# Altium PCB Control_Board.Pcbdoc (part 2 of 2) (continued)
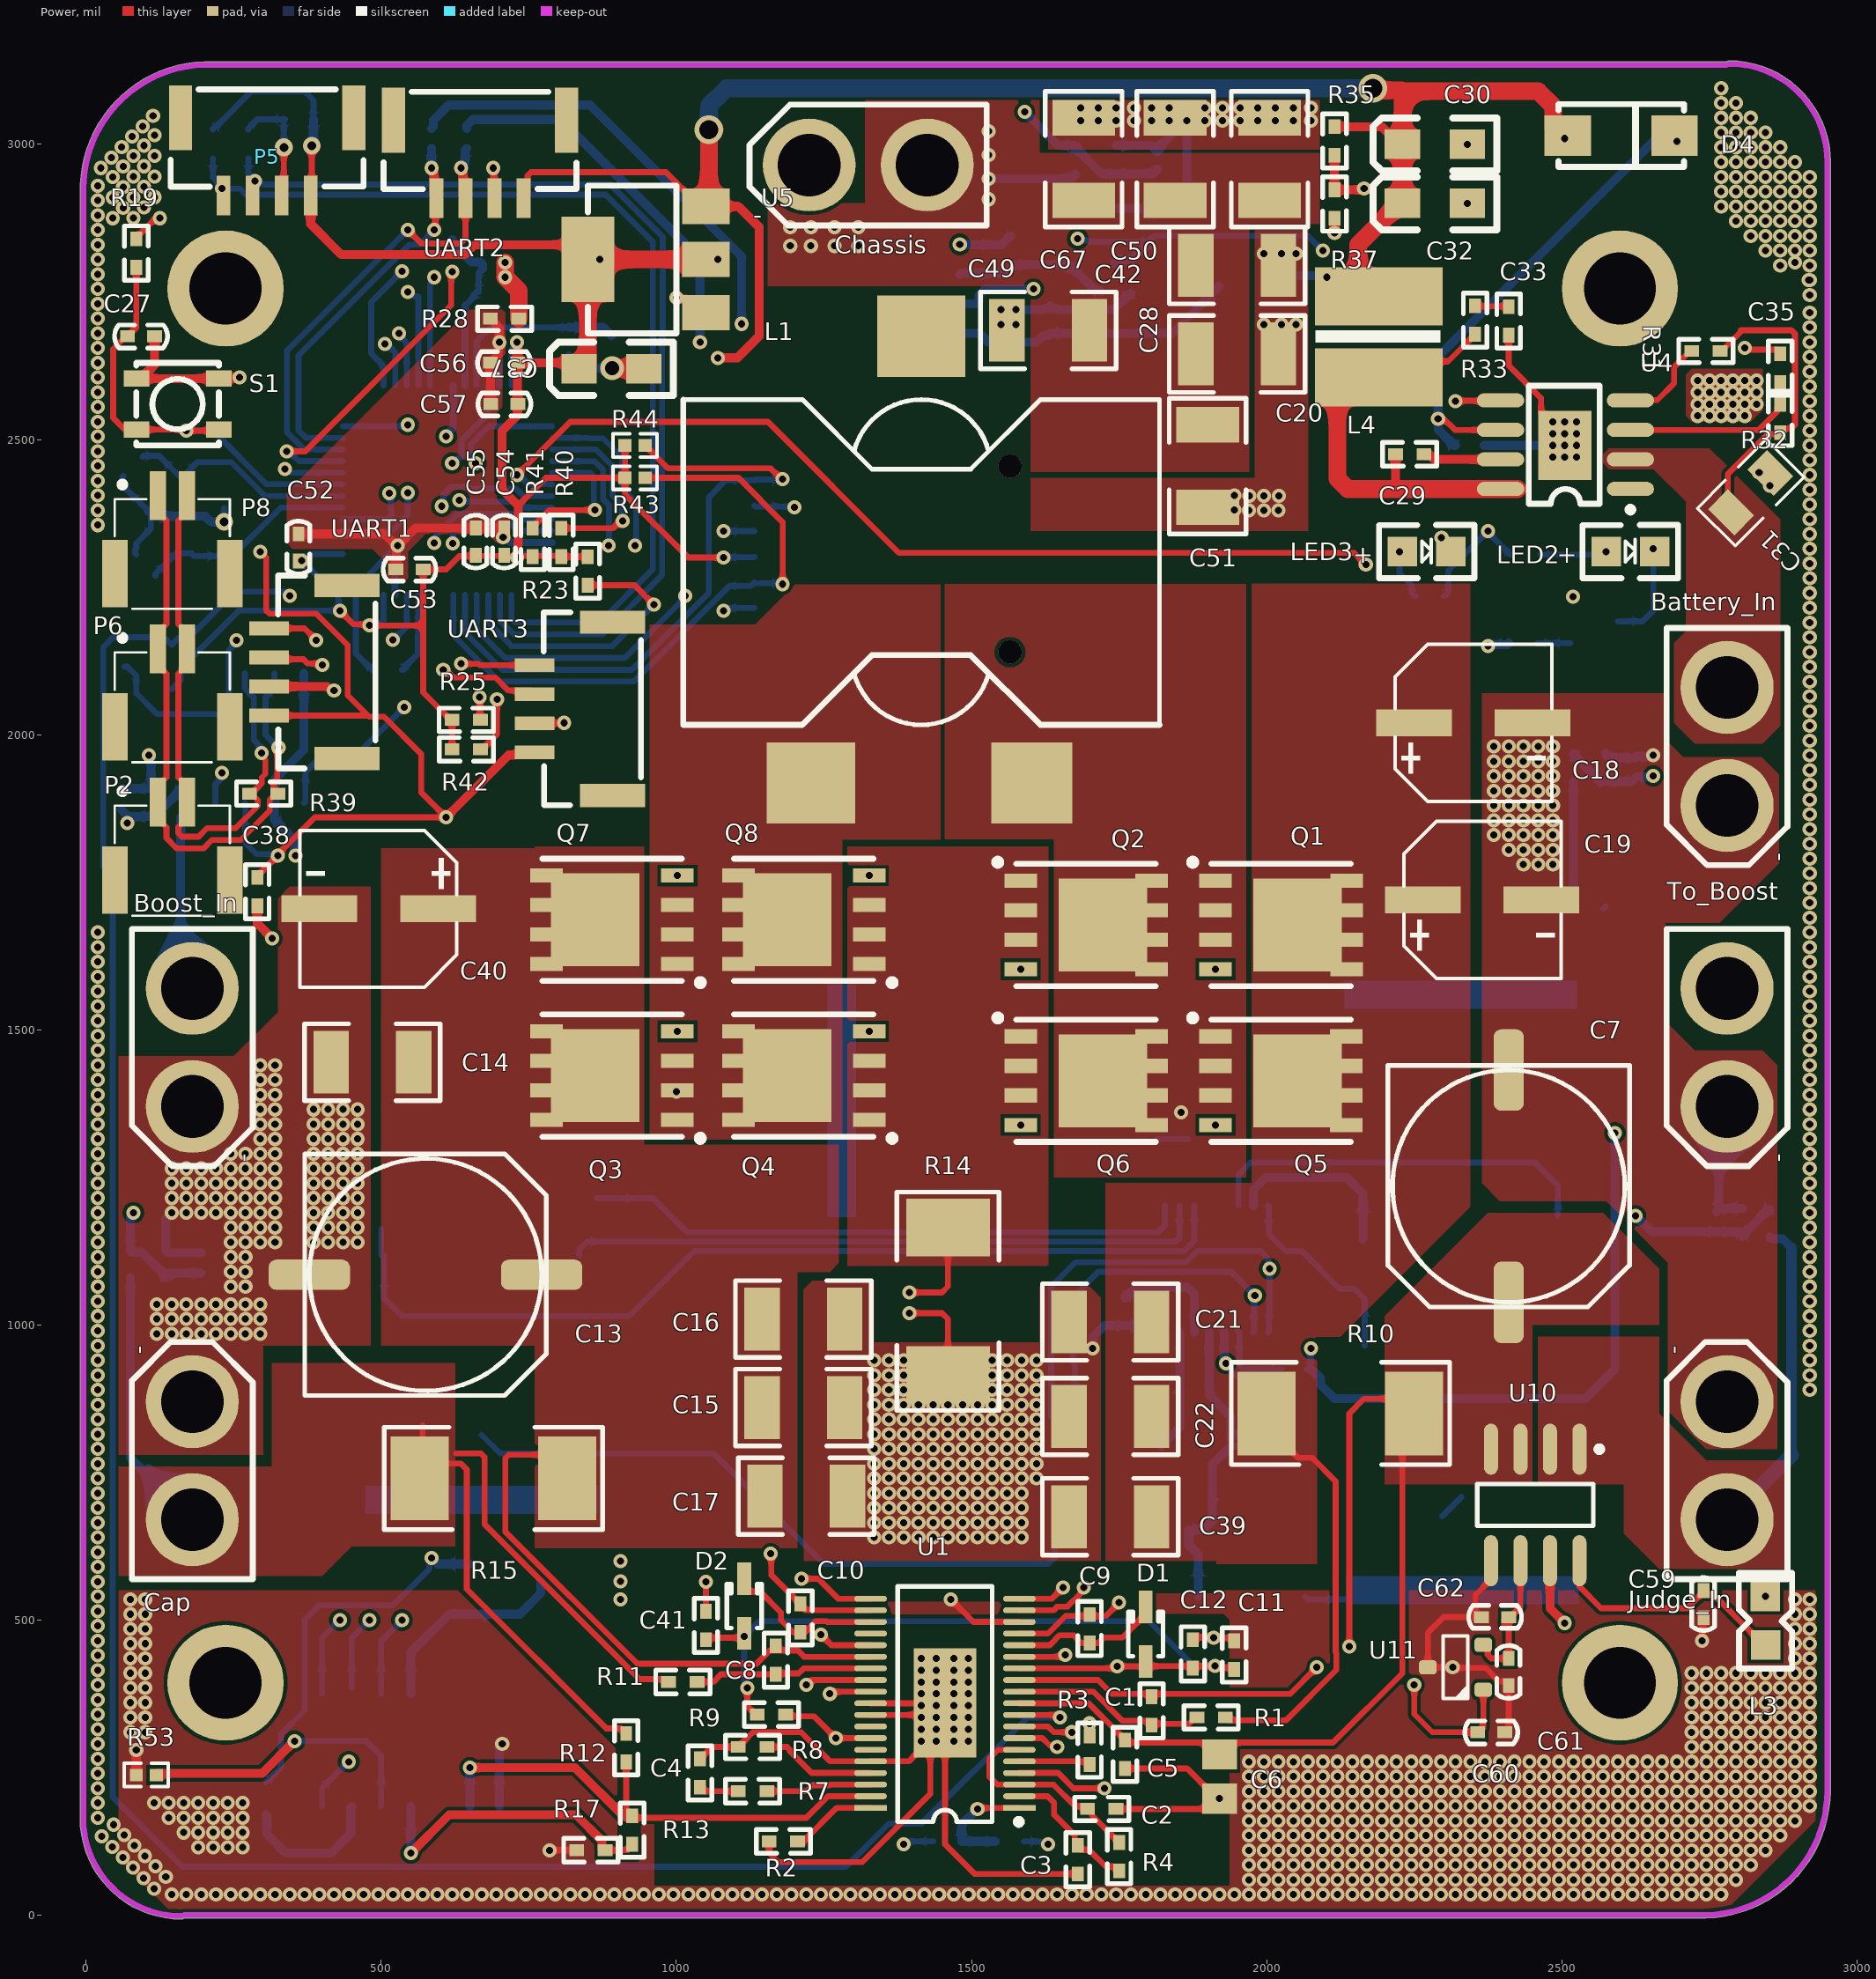
[diagram p0: Power view]
## Nets (pads, with @x,y where several pads share a name; then routed paths per layer and width w, separated by ;. In a path a pad name is that pad's centre, name@x,y a point inside that pad or via, vN(x,y) a via of type N, cw(c..) or ccw(c..) an arc to the next point about the centre after c; other vN are vias at no path point) (continued)
  Digital_signal w10: U13.3@435,2345.32 517.98,2345.32 545,2372.34 v1(545,2410) ; Q10.2@1675,805 1635,845 1635,1065 1676,1106 1863.63,1106 1882.63,1125 1990,1125 2002.32,1112.68 2002.32,1097.68 v1(2005,1095) 2005,1015.36 2003.98,1014.33 2003.98,989.19 U8.1@2002.5,987.72
LED_Green: R38.1 U13.30 | length 1942.7
  Power w10: v1(730,2440) 820,2530 1155,2530 1377,2308 2148.06,2308 v1(2168.03,2288.03)
  A_signal w10: v1(2168.03,2288.03) 2306.06,2150 v1(2375,2150)
  Digital_signal w10: v1(730,2440) 733.79,2440 749.39,2424.4 788.98,2424.4 U13.30@789.33,2424.05
  Digital_signal w15: v1(2375,2150) 2377.44,2150 2379.94,2152.5 2407.5,2152.5 R38.1@2410,2155
MOTOR_CURRENT_OUT: U7.7 U13.17 | length 1794.1
  A_signal w15: v1(590,2775) 591.72,2776.72 591.72,2791.72 663.5,2863.5 663.5,3008.5 725,3070 940,3070 1030,2980 1030,2802.33 1054.12,2778.21 1581.79,2778.21 v1(1605,2755)
  Digital_signal w10: U13.17@582.64,2591.38 582.64,2763.85 590,2771.21 v1(590,2775)
  Digital_signal w15: U7.7@1479.49,2730 1508.65,2730 1512.63,2733.98 1512.63,2744.41 1522.65,2754.43 1604.43,2754.43 v1(1605,2755)
NetC1_2: C1.2 R1.2 U1.11 | length 330.3
  Power w10: U1.11@1580.98,378.7 1581.06,378.78 1706.22,378.78 1755.7,329.3 1800,329.3 C1.2@1805,324.3 ; C1.2@1805,321.8 C1.2@1805,324.3 ; R1.2@1881.8,335 1879.3,335 1868.6,324.3 C1.2@1805,324.3
NetC3_2: C3.2 R4.2 U1.2 | length 243.2
  Power w10: U1.2@1580.98,201.54 1628.79,201.54 1640,190.32 1640,170 1675,135 1675,120.7 1685,110.7 1699.3,110.7 1727.5,82.5 1745,82.5 1750,77.5 R4.2@1750,75
NetC4_2: C4.2 R7.1 | length 68.9
  Power w10: C4.2@1040,216.8 1040,215 1045,210 R7.1@1105,210
NetC8_1: C8.1 R11.1 U1.26 | length 281
  Power w10: R11.1@1035,395 1062.5,395 1075.5,408 1155,408 C8.1@1168.5,408 1170.11,409.61 1207.08,409.61 1215.47,418 U1.26@1306.46,418
NetC9_2: C9.2 D1.2 U1.15 | length 239
  Power w10: U1.15@1603.54,457.44 1632.44,457.44 1649.3,474.3 1673.14,474.3 1679,468.44 1679,467.63 1685.44,461.19 1714.56,461.19 1723.72,470.35 1755.35,470.35 1784.96,499.96 1788.19,499.96 1795,506.77 D1.2@1795,522.52
NetC10_2: C10.2 D2.2 U1.22 | length 284.4
  Power w10: D2.2@1115,570 1115,554.25 1121.81,547.44 1142.56,547.44 1177.22,512.78 1177.22,499.58 1197.5,479.3 1200,479.3 C10.2@1205,474.3 ; C10.2@1205,471.8 C10.2@1205,474.3 ; U1.22@1329.02,496.81 1328.94,496.73 1255.79,496.73 1254.53,498 1235.47,498 1222,484.53 1222,482.99 1218.31,479.3 C10.2@1210,479.3 C10.2@1205,474.3
NetC23_1: C23.1 U13.5 X1.1 | length 371.2
  Digital_signal w10: C23.1@117.53,2268.94 C23.1@117.53,2272.47 152.14,2307.08 178.47,2307.08 X1.1@178.84,2306.71 183.01,2302.54 247.54,2302.54 329.68,2384.68 U13.5@435,2384.68
NetC24_2: C24.2 L2.1 U2.11 | length 351.3
  Digital_signal w15: U2.11@550,375.47 550,445 615,510 670,510 734.88,510 770.2,545.32 C24.2@770.2,565.32
NetC25_1: C25.1 U13.6 X1.3 | length 390.6
  Digital_signal w10: C25.1@95.71,2470.71 97.47,2472.47 123.39,2472.47 X1.3@161.16,2434.7 188.11,2461.65 245.66,2461.65 302.95,2404.37 U13.6@435,2404.37
NetC27_2: C27.2 R19.1 S1.2 U13.7 | length 757.9
  Power w10: R19.1@85,2791.8 85,2690 77.5,2682.5 77.5,2680 72.5,2675 C27.2@70,2675 67.5,2675 45.89,2653.39 45.89,2536.61 65.81,2516.69 S1.2@85.12,2516.69 v1@170,2516.69 ; v1(170,2515) 226.57,2515 S1.2@224.88,2516.69
  Digital_signal w10: v1@180,2515 214.95,2515 305.57,2424.38 U13.7@434.68,2424.38
NetC29_1: C29.1 L4.1 R33.1 U4.8 | length 790
  Power w10: L4.1@2190,2605 2217.41,2632.41 2307.41,2632.41 R33.1@2353.2,2678.2 ; 2215,2421.2 2220,2416.2
  Power w15: 2215,2421.2 2218.2,2424.4 C29.1@2218.2,2475
  Power w30: L4.1@2190,2605 2153.8,2605 2119.58,2570.79 2119.58,2433.77 2137.16,2416.2 2220,2416.2 U4.8@2425,2416.2
NetC29_2: C29.2 U4.7 | length 133.5
  Power w15: C29.2@2266.4,2475 2268.9,2472.5 2277.5,2472.5 2283.8,2466.2 U4.7@2396.23,2466.2
NetC33_2: C33.2 R33.2 | length 57.4
  Power w10: R33.2@2353.2,2726.4 2353.9,2725.7 2409.3,2725.7 C33.2@2410,2725
NetC35_1: C35.1 R32.1 U4.3 | length 313
  Power w10: U4.3@2616.23,2516.2 2833.57,2516.2 2865,2547.63 2865,2554.68 R32.1@2870,2559.68 C35.1@2870,2596.8
NetC36_1: C36.1 L8.2 U13.21 | length 319.2
  Digital_signal w10: U13.21@661.38,2591.38 661.38,2666.38 685,2690 C36.1@818,2690
  Digital_signal w15: C36.1@818,2690 876,2690 L8.2@890,2676
NetC43_2: C43.2 L5.1 U7.8 | length 487.7
  Digital_signal w15: U7.8@1479.49,2680 1513.32,2680 1528.32,2665 1610,2665 1621,2676 1631.25,2676 1632.5,2677.25 1632.5,2680 1840,2680 L5.1@1920,2760
NetC47_2: C47.2 D3.2 D5.2 L6.1 U8.5 | length 666.8
  Digital_signal w10: L6.1@1973.91,840 1939.54,805.63 L6.1@1939.54,795 2002.5,795 2030,822.5 C47.2@2030,825
  Digital_signal w15: D5.2@1883.9,540 1883.9,611.02 1868.08,626.84 1868.08,653.08 1893.08,653.08 1907.66,667.66 1907.66,763.13 L6.1@1939.54,795 ; U8.5@1902.5,987.72 1902.5,881.25 1939.54,844.21 L6.1@1939.54,805.63
NetC48_2: C48.2 U8.6 | length 196.4
  Digital_signal w15: C48.2@1760,1045 1760,1047.5 1762.5,1050 1765,1050 1779,1064 1866,1064 1877.5,1052.5 U8.6@1877.5,987.72
NetC59_2: C59.2 L3.1 U10.8 | length 386.2
  Power w10: U10.8@2530,572.7 2530,556.35 2566.35,520 2712.5,520 C59.2@2740,547.5 ; C59.2@2740,550 C59.2@2740,547.5 ; L3.1@2835,465 2835,467.9 2825.2,477.7 2822.3,477.7 2756.86,543.14 2744.36,543.14 C59.2@2740,547.5
NetL6_2: L6.2 U8.7 | length 205.6
  Digital_signal w15: L6.2@1821.42,795 1852.5,826.08 U8.7@1852.5,987.72
NetLED2_1: LED2.1 R34.2 | length 113.9
  Digital_signal w10: R34.2@2463.2,2305 2566.21,2305 2571.21,2310 v1(2575,2310)
NetLED2_2: LED2.2 Q9.3 | length 172.5
  Digital_signal w10: Q9.3@2595,2192 2637,2192 2655,2210 2655,2275 v1(2655,2315)
NetLED3_1: LED3.1 R36.1 | length 86.7
  Digital_signal w10: v1(2225,2310) 2225,2273.59 2245.84,2252.75 2245.84,2240 2250.84,2235 R36.1@2251.8,2235
NetQ9_1: Q9.1 R38.2 | length 56.8
  Digital_signal w10: R38.2@2458.2,2155 Q9.1@2515,2155
NetR2_2: R2.2 U1.38 | length 137.6
  Power w10: R2.2@1215,125 1271.85,181.85 U1.38@1329.02,181.85
NetR3_2: R3.2 U1.5 | length 121.5
  Power w10: U1.5@1580.98,260.59 1695.16,260.59 1700,255.75 R3.2@1700,255.31
NetR7_2: R7.2 U1.36 | length 180.5
  Power w10: R7.2@1153.2,210 1219.74,210 1229.74,220 1258.78,220 1260,221.22 U1.36@1329.02,221.22
NetR8_2: R8.2 U1.35 | length 195.5
  Power w10: R8.2@1153.2,285 1187.5,285 1192.5,280 1192.5,277.5 1220,250 1229.09,240.91 U1.35@1329.02,240.91
NetR9_1: R9.1 U1.4 U1.32 | length 783
  Power w10: R9.1@1185,340 1188,337 1233,337 v1(1270,300) v1(1270,300) U1.32@1306.46,299.96 ; U1.4@1580.98,240.91 1646.72,240.91 1672.63,215 v1(1725,215)
  A_signal w10: v1(1270,300) 1355,215 v1(1725,215)
NetR18_2: R18.2 U1.7 | length 3959.3
  Power w10: U1.7@1580.98,299.96 1619.96,299.96 1632.24,287.68
  A_signal w15: v1@1109.57,2694.95 v1(1110.48,2695.87) 1189.13,2695.87 2080,1805 2080,1041.46 1995,956.46 1995,601.46 1781.77,388.23 1781.77,281.77 1770,270 1662.44,270 1647.44,285 v1(1645,285)
  Digital_signal w15: R18.2@585,3027.04 588.13,3030.17 588.13,3040.68 614.13,3066.68 853.89,3066.68 1110.48,2810.08 v1(1110.48,2695.87)
NetR20_2: R20.2 U1.8 | length 3827.6
  Power w10: U1.8@1580.98,319.65 1629.72,319.65 1639.36,310 v1(1670,310)
  A_signal w10: v1@1670,307.86 v1(1670,310)
  A_signal w15: v1(1040,2665) 1185,2665 2055,1795 2055,1046.16 1974,965.16 1974,610.16 1760,396.16 1760,300.86 1754.14,295 1682.86,295 v1@1670,307.86
  Digital_signal w15: R20.2@645,3027.04 645,3032.04 655,3042.04 804.12,3042.04 1040,2806.16 v1(1040,2665)
NetR22_1: R22.1 U8.3 | length 140.1
  Digital_signal w10: U8.3@1951.02,989.19 1953.98,986.24 1953.98,930.86 1959.83,925 R22.1@2020,925 ; R22.1@2025,920 R22.1@2020,925 ; R22.1@2025,925 R22.1@2020,925
NetR24_1: R24.1 U2.6 | length 249.2
  Digital_signal w15: R24.1@305,170 306.29,168.71 306.29,137.5 338.79,105 415,105 448.35,138.35 448.35,182.88 U2.6@450,184.53
NetR31_1: R31.1 U4.4 | length 154.6
  Power w10: U4.4@2616.23,2566.2 2616.84,2566.81 2661.81,2566.81 2690,2595 2690,2622.5 2717.5,2650 R31.1@2720,2650
NetR46_1: R46.1 R47.2 U1.1 | length 194.7
  Power w10: v1(1510,180) 1511.77,181.77 1580.91,181.77 U1.1@1580.98,181.85
  Digital_signal w15: v1(1510,180) 1483.2,153.2 R46.1@1483.2,125 R47.2@1540,125
NetR52_1: R52.1 U13.45 | length 140.1
  Digital_signal w10: R52.1@535,2110 537.5,2110 542.5,2115 542.5,2117.5 562,2137 562,2169.4 562.95,2170.35 U13.45@562.95,2237.05
RB2: R12.1 R13.1 U1.37 U2.2 | length 893
  Power w10: R12.1@915,265.67 915,180.7 925,170.7 R13.1@925,168.2 ; R13.1@918.2,165 925,165 1220,165 1256.54,201.54 U1.37@1329.02,201.54
  Power w15: v1(650,250) 828.2,250 910,168.2 912.5,168.2 R13.1@915,165.7
  Digital_signal w15: U2.2@650,184.53 v1(650,250)
RW2: R13.2 R17.2 U2.4 | length 519.7
  Power w10: R17.2@879.21,110 917.5,110 925,117.5 R13.2@925,120
  Power w15: v1(550,105) 615,170 830,170 874.21,125.79 874.21,112.5 876.71,110 R17.2@879.21,110
  Digital_signal w15: v1(550,105) U2.4@550,184.53
SAB1_IN: IC1.2 IC1.3 IC1.4 IC1.5 IC1.6 IC1.7 IC1.8 IC2.2 IC2.3 IC2.4 IC2.5 IC2.6 IC2.7 IC2.8 U8.15 | length 309.4
  Digital_signal w15: U8.15@1977.5,1202.28 1978.02,1202.8 1978.02,1229.11 1998.91,1250 2135,1250 2163.27,1221.73 IC1.8@2163.27,1145
SAB2_IN: IC3.2 IC3.3 IC3.4 IC3.5 IC3.6 IC3.7 IC3.8 IC4.2 IC4.3 IC4.4 IC4.5 IC4.6 IC4.7 IC4.8 U8.10 | length 1131.3
  Digital_signal w10: IC4.8@835.35,1117.83 835.35,1127.43 848.92,1141 1846,1141 1852.5,1147.5 U8.10@1852.5,1202.28 ; IC3.5@865.87,1403.62 IC3.5@907.28,1403.62
SD_CLK: U3.5 U13.40 | length 667.7
  A_signal w10: v1(1015,2235) 1017.47,2235 1045,2262.53 1045,2310 v1(1080,2345)
  Digital_signal w10: U13.40@661.38,2237.05 661.72,2236.7 661.72,2178.28 710,2130 912.47,2130 1015,2232.53 v1(1015,2235) ; v1(1080,2345) 1080.18,2344.82 1131.91,2344.82 U3.5@1132.09,2344.65
SD_MISO: R44.1 U3.7 U13.41 | length 1114
  Power w10: R44.1@947.04,2490 947.55,2490 953.18,2484.37 953.18,2483.86 986.04,2451 1159.82,2451 1177.82,2433 v1(1180,2433)
  Digital_signal w10: U13.41@641.69,2237.05 642.04,2236.7 642.04,2172.96 705,2110 924.85,2110 1055,2240.15 1055,2402.53 1083.73,2431.26 U3.7@1132.09,2431.26 1132.95,2432.13 1179.13,2432.13 v1(1180,2433)
SD_MOSI: R43.1 U3.3 U13.42 | length 1099.2
  Power w10: R43.1@947.04,2435 1105,2435 1180,2360 v1(1180,2255)
  Digital_signal w10: U13.42@622.01,2237.05 622.35,2236.7 622.35,2167.65 700,2090 927.47,2090 1089.29,2251.81 1125.87,2251.81 U3.3@1132.09,2258.03 1133.6,2256.52 1178.48,2256.52 v1(1180,2255)
SD_NSS: R23.1 U3.2 U13.39 | length 675.9
  Power w10: R23.1@849.82,2253.18 929.07,2253.18 v1(961.7,2220.56)
  A_signal w10: v1(961.7,2220.56) 964,2220.56 974.56,2210 v1(1080,2210)
  Digital_signal w10: U13.39@681.06,2237.05 681.41,2236.7 681.41,2189.56 720.97,2150 891.3,2150 961.7,2220.4 v1(961.7,2220.56) ; v1(1080,2210) 1084.73,2214.73 U3.2@1132.09,2214.73 U3.2@1132.22,2214.86
SNSP: Q2.3 Q4.3 Q6.3 Q8.3 R14.1 U1.27 | length 1015.6
  Power w10: v1(1220,390) 1228.31,398.31 U1.27@1306.46,398.31 ; v1(1395,1055) 1450,1055 1460,1065 R14.1@1460,1165 R14.1@1473.48,1151.52
  A_signal w10: v1(1220,390) 1268,438 1268,928 v1(1395,1055)
SW1: C9.1 L1.2 Q1.3 Q2.2 Q5.3 Q6.2 U1.16 | length 1076.8
  Power w10: U1.16@1580.98,477.13 1629.5,477.13 1659.16,506.79 1727.22,506.79 v1(1750,529.56)
  A_signal w10: 1741.44,521 v1(1750,529.56) 1750,1250 1848.41,1348.41 1848.41,1349.62 1855,1356.21 v1(1855,1360)
SW2: C10.1 L1.1 Q3.3 Q4.2 Q7.3 Q8.2 U1.21 | length 1147.5
  Power w10: v1(1160,612.5) 1160.6,611.9 1160.6,576.9 1202.5,535 1205,535 1210,530 C10.1@1210,527.5 ; C10.1@1205,520 1215,520 1218.5,516.5 U1.21@1329.02,516.5
  A_signal w10: v1(1000,1395) 1001.67,1393.33 1101.67,1393.33 1160,1335 v1(1160,612.5) ; v1@1155,605 v1@1155,612.5
SWCLK: P5.3 R29.2 U13.38 | length 1719.5
  Digital_signal w10: R29.2@275,2976.49 275,2950.32 286,2939.33 286,2932 888,2932 977,2843 977,2673 976,2672 976,2271 875,2170 724.57,2170 701.09,2193.47 701.09,2236.7 U13.38@700.75,2237.05
  other v1: 286,2938
SWDIO: P5.4 R30.2 U13.37 | length 1699.9
  Digital_signal w10: R30.2@215,2976.49 215,2943.79 230,2928.79 v1(230,2925) 260.47,2925 270.47,2915 880,2915 960,2835 960,2280 870,2190 727.2,2190 720.78,2196.42 720.78,2236.7 U13.37@720.43,2237.05
TG1: Q1.1 Q5.1 U1.14 | length 1400.8
  Power w10: U1.14@1580.98,437.76 1655.28,437.76 v1(1658.6,441.07)
  A_signal w10: v1(1658.6,441.07) 1721.07,441.07 1890,610 1890,1315.5 v1(1913.27,1338.77) 1913.77,1338.77 1935,1360 1935,1581.02 v1(1913.47,1602.56)
TG2: Q3.1 Q7.1 U1.24 | length 1580.5
  Power w10: v1(1245,475) 1262.56,457.44 U1.24@1329.02,457.44
  A_signal w10: v1(1001.73,1761.23) 985,1744.5 985,1514.17 v1(1001.73,1497.44) 1152.56,1497.44 1245,1405 v1(1245,475)
UART1_RX: U13.32 UART1.4 | length 744.5
  Power w10: UART1.4@310,2180 370,2180 v1(390,2160)
  A_signal w10: v1(390,2160) 412.92,2137.08 528.55,2137.08 551,2159.52 551,2345.81 571.96,2366.77 571.96,2391.96 590,2410 619.14,2410 v1(632.14,2397)
  Digital_signal w10: v1(632.14,2397) 634.14,2395 727.28,2395 737.6,2384.68 U13.32@789.33,2384.68
UART1_TX: U13.31 UART1.3 | length 749.6
  Power w10: UART1.3@310,2130.79 313.11,2127.68 368.31,2127.68 375.46,2120.52 397.63,2120.52 v1(400.31,2117.85)
  A_signal w10: v1(400.31,2117.85) 402.99,2115.17 427.14,2115.17 432.31,2110 524.11,2110 567,2152.89 567,2339.18 587.96,2360.14 587.96,2371 602.69,2385.73 v1(602.69,2387)
  Digital_signal w10: v1(602.69,2387) 605.29,2389.6 605.29,2407.57 617.73,2420 645,2420 648,2417 727.91,2417 740.54,2404.37 U13.31@789.33,2404.37
UART2_RX/ADC_3790OUT: R18.1 U13.11 UART2.4 | length 668.5
  Power w10: v1(590,2855) 591.79,2856.79 591.79,2907.14 UART2.4@593.58,2908.93
  Power w15: v1(585,2960) 585,2957.56 589.27,2953.3 589.27,2913.24 UART2.4@593.58,2908.93
  Digital_signal w10: U13.11@435,2502.8 372.36,2502.8 360,2515.15 360,2642.53 547.47,2830 565,2830 v1(590,2855)
  Digital_signal w15: v1(585,2960) R18.1@585,2992.96
UART2_TX/ADC_3790IN: R20.1 U13.10 UART2.3 | length 805
  Power w10: v1(545,2855) 568,2832 633.93,2832 642.79,2840.86 UART2.3@642.79,2908.93
  Power w15: v1(635,2960) 635,2957.56 638.48,2954.08 638.48,2913.24 UART2.3@642.79,2908.93
  Digital_signal w10: U13.10@435,2483.11 369.42,2483.11 361.26,2491.26 340,2512.53 340,2650 v1(545,2855)
  Digital_signal w15: v1(635,2960) 635,2962.44 641.87,2969.31 641.87,2989.83 R20.1@645,2992.96
UART3_RX: U13.25 UART3.4 | length 681.1
  Power w10: v1(634.97,2120.03) 664.58,2120.03 666.97,2117.64 UART3.4@760,2117.64
  A_signal w10: v1(634.97,2120.03) 637.65,2122.71 637.65,2130.54 640,2132.89 640,2185.15 683.5,2228.65 683.5,2436.5 v1(660,2460)
  Digital_signal w10: v1(660,2460) 660,2463.79 652,2471.79 652,2492 682.48,2522.48 U13.25@789.33,2522.48
UART3_TX: U13.22 UART3.3 | length 727.9
  Power w10: v1(605,2110) 608.79,2110 621.79,2097 693,2097 715,2075 753.43,2075 UART3.3@760,2068.43
  A_signal w10: v1(605,2110) 607.68,2112.68 607.68,2125.26 622.62,2140.2 622.62,2190.4 667.5,2235.28 667.5,2415.29 622.79,2460 v1(620,2460)
  Digital_signal w10: v1(620,2460) 623.14,2460 636,2472.86 636,2498.63 680.72,2543.34 680.72,2591.03 U13.22@681.06,2591.38
VCC_Battery: Battery_In.1 C31.1 R31.2 R32.2 R45.2 U4.2 | length 516.4
  Power w10: R31.2@2768.2,2650 2770.7,2650 2803.2,2682.5 2803.2,2685 2889.14,2685 2895,2679.14 2895,2524.84 2889.14,2518.99 2875,2518.99 2870,2513.99 R32.2@2870,2511.49 2867.5,2508.99 2848.98,2508.99 2781.03,2441.03 2781.03,2382.16 C31.1@2786.59,2376.59
VCC_Boost: Boost_In.1 R50.2 U7.1 U7.2 | length 298.3
  Digital_signal w15: R50.2@160,1860 160,1590.01 Boost_In.1@180.01,1570
VCC_BUCK_IN: C1.1 C5.2 C6.2 C7.1 R10.1 U1.10 U1.12 U10.3 U10.4 | length 2338
  Power w10: U1.10@1580.98,359.02 1698.37,359.02 1753.28,304.11 1755,304.11 1758.09,301.01 1758.09,299.31 1765,292.4 2112.4,292.4 2230,410 2230,830 R10.1@2250,850 2225,875 2165,875 2140,850 2140,759.14 ; U1.12@1580.98,398.39 1714.4,398.39 1737.78,375 2040,375 v1(2085,420) ; v1(2140,455) 2140,759.14 ; 2140,795 2140,759.14
  A_signal w10: v1(2085,420) 2105,420 v1(2140,455)
VCC_Chassis: C20.2 C28.2 C42.2 C49.2 C50.2 C51.2 C67.2 Chassis.1 R26.2 U7.3 U7.4 | length 160.4
  Digital_signal w10: Chassis.1@1438.42,2964.99 Chassis.1@1443.43,2970 ; R26.2@1675,2950 R26.2@1675,2952.5
  Digital_signal w15: v1(1529,2942) 1667,2942 1670,2945 1672.5,2945 1675,2947.5 R26.2@1675,2950
  other v1: 1192.91,2828 1227.91,2828 1267.91,2828 1307.91,2828 1192.91,2859.75 1227.91,2859.75 1267.91,2859.75 1307.91,2859.75 1529,2907 1529,2982 1529,3022
VCC_judge: D5.1 IC2.9 Judge_In.1 R16.2 R45.1 U10.1 U10.2 | length 735.4
  Power w30: Judge_In.1@2780,670 Judge_In.1@2805,670
  Digital_signal w10: D5.1@2065,540 2070,535 2155,535 ; IC2.9@2297.3,676 IC2.9@2330,708.7
  Digital_signal w15: R16.2@2852.78,1149.19 2852.78,1148.55 2855.28,1146.05 2873.95,1146.05 2889.19,1130.81
  Digital_signal w18: 2889.19,779.19 2889.19,1130.81
  Digital_signal w25: Judge_In.1@2780,670 2889.19,779.19
  Digital_signal w30: R45.1@2780,2545 R45.1@2801.65,2545
  other v1: 2730,2540 2750,2540 2770,2540 2790,2540 2810,2540 2730,2560 2750,2560 2770,2560 2790,2560 2810,2560 2830,2560 2730,2580 2750,2580 2770,2580 2790,2580 2810,2580 2830,2580 2730,2600 2750,2600 2770,2600 2790,2600 2810,2600 2830,2600
VCC_Source: IC1.9 IC3.9 R48.2 To_Boost.1 U8.12 U8.13 | length 238.3
  Digital_signal w10: 1815,1315 1867.39,1315 ; 2570,1705 2574.15,1709.15
  Digital_signal w15: 2520,1740 R48.2@2520,1920
Vref: C2.2 R4.1 U1.3 U1.6 | length 354.2
  Power w10: U1.6@1580.98,280.28 1545,280.28 1530,265.28 1530,235 1543.78,221.22 U1.3@1580.98,221.22 1638.78,221.22 1675,185 1689.07,185 C2.2@1692.64,181.43 ; C2.2@1696.49,180 1698.99,180 1703.99,175 1703.99,169.25 1742.54,130.7 1745,130.7 1750,125.7 R4.1@1750,123.2
Vref_1V8_1: C45.2 C46.2 U7.6 U9.2 | length 268.1
  Digital_signal w15: U7.6@1479.49,2780 1481.14,2781.65 1556.65,2781.65 1565,2790 1567.5,2790 1570,2792.5 C45.2@1570,2795 1571.5,2796.5 1665.5,2796.5 1709.5,2752.5 1717.5,2752.5 C46.2@1720,2750
Vref_1V8_2: C61.2 C62.2 U10.6 U11.2 | length 252.8
  Power w10: U11.2@2367,458 2367.63,458 2374.56,451.08 2374.56,440.86 2380.41,435 C61.2@2410,435 C62.2@2410,505 ; 2402.5,490.5 2402.5,500 2407.5,505 C62.2@2410,505 ; U10.6@2430,600.51 2430,522.5 2412.5,505 C62.2@2410,505
pads on no net: L1.0 P2.0 P5.5 P5.6 P6.0 P8.0 U1.23 U1.31 U1.33 U2.3 U2.12 U2.13 U2.14 U3. U3.1 U3.8 U3.9 U3.10 U4.1 U6.5 U13.2 U13.18 U13.43 U13.44 UART1.5 UART1.6 UART2.5 UART2.6 UART3.5 UART3.6

## Polygon pours and split planes (outlines as drawn)
DG on Power "DG_L01_P121" (solid, pour order 121): 705,2720 650,2720 340,2410 340,2325 350,2315 485,2315 510,2290 510,2265 515,2260 540,2260 545,2265 545,2310 575,2340 680,2340 695,2325 715,2325 720,2330 720,2375 695,2400 695,2545 705,2555 705,2640 710,2645 710,2715
VCC_judge on Power "VCC_JUDGE_L01_P126" (solid, pour order 126): 2840,2620 2720,2620 2710,2610 2710,2540 2720,2530 2820,2530 2840,2550
VCC_Battery on Power "VCC_BATTERY_L01_P113" (solid, pour order 113): 2580,2485 2570,2475 2570,2460 2580,2450 2655,2450 2710,2395 2710,2175 2690,2155 2690,2020 2725,1985 2840,1985 2870,2015 2870,2365 2750,2485
GND on Power "GND_L01_P040" (solid, pour order 40): 1215,970 1295,970 1719,970 1719,600 1510,600 1400,600 1295,600 1215,600
GND on Power "GND_L01_P122" (solid, remove dead copper, pour order 122): 55,550 55,95 140,10 2780,10 2930,160 2930,550
GND on Power "GND_L01_P095" (solid, pour order 95): 300,780 300,965 482,965 482,1236 55,1236 55,985 55,780
ISP on Power "Power-ISP" (solid, pour order 119): 760,621.9 1205,621.9 1205,924.79 1204.9,924.78 1204.9,1090 1260,1090 1275,1105 1275,1305 945,1305 945,1810 760,1810 760,1807.15 500,1807.15 500,1325 500,965 760,965 760,813.89 758.04,813.99 760,812.03
SW2 on Power "SW2_L01_P045" (solid, pour order 45): 955,1314 955,2254 1447,2254 1447,1822 1281,1822 1281,1314
IVINN on Power "Power-IVINN" (solid, pour order 120): 2125,980 2345,1200 2345,2256 1975,2256 1975,1771.94 1975,1240 1727,1240 1727,595 2085,595 2085,980
GND on Power "GND_L01_P097" (solid, pour order 97): 345,1742.5 325,1722.5 325,1530 250,1455 55,1455 55,1212.5 482,1212.5 482,1742.5
GND on Power "GND_L01_P115" (solid, pour order 115): 2639,2029 2706,1962 2839,1962 2868,1933 2868,1782 2767,1681 2643,1681
VCC_Chassis on Power "VCC_CHASSIS_L01_P098" (solid, pour order 98): 1970,2475 1970,2865 2090,2865 2090,2985 1795,2985 1615,2985 1615,3000 1615,3075 1320,3075 1320,2795 1355,2760 1600,2760 1600,2445 1970,2445
SW1 on Power "SW1_L01_P044" (solid, pour order 44): 1455,2255 1455,1823 1640,1823 1640,1250 1965,1250 1965,2255
GND on Power "GND_L01_P054" (solid, pour order 54): 1230,1075 1215,1060 1215,922.5 1352.5,922.5 1360,915 1360,1075
GND on Power "GND_L01_P112" (solid, pour order 112): 2365,2070 2365,1240 2395,1210 2575,1210 2680,1105 2680,855 2745,790 2865,790 2865,1440 2840,1465 2725,1465 2675,1515 2675,2070
VCC_BUCK_IN on Power "VCC_BUCK_IN_L01_P111" (solid, pour order 111): 2437.76,1190 2570,1190 2665,1095 2665,1000 2395,1000 2390,995
VCC_judge on Power "VCC_JUDGE_L01_P064" (solid, pour order 64): 2460,980 2665,980 2665,850 2745,770 2885,770 2885,730 2810,730 2460,730
VCC_BUCK_IN on Power "VCC_BUCK_IN_L01_P065" (solid, pour order 65): 2325,730 2200,730 2200,1015 2375,1190 2450,1190 2450,730
VCC_judge on Power "VCC_JUDGE_L01_P103" (solid, pour order 103): 2605,646.67 2665,586.67 2885,586.67 2885,765 2605,765
GND on Power "GND_L01_P099" (solid, pour order 99): 1980,2855 1980,2850 1980,2355 2070,2355 2070,2855
SNSP on Power "SNSP_L01_P046" (solid, pour order 46): 1290,1810 1290,1100 1625,1100 1630,1095 1630,1810
GND on Power "GND_L01_P101" (solid, pour order 101): 1630,3119.84 1630,2990 2090,2990 2090,3105 2080,3115
GND on Power "GND_L01_P100" (solid, pour order 100): 1600,2435 1600,2345 2070,2345 2070,2435 1595,2435
VCC_Chassis on Power "VCC_CHASSIS_L01_P091" (solid, pour order 91): 1535,3030 1535,2880 1540,2875 1515,2850 1460,2850 1460,2760 1155,2760 1155,2890 1165,2900 1320,2900 1320,3045 1335,3060 1540,3060
BUCK_OUT on Power "BUCK_OUT_L01_P051" (solid, pour order 51): 625,625 625,935 315,935 315,760 55,760 55,575 400,575 450,625
GND on Power "GND_L01_P053" (solid, pour order 53): 1615,1065 1700.15,1065 1719,1046.15 1719,965 1615,965
GND on Digital_signal "GND_L04_P117" (solid, remove dead copper, pour order 117): 5,3120 2945,3120 2945,20 5,20
VCC_judge on Digital_signal "VCC_JUDGE_L04_P067" (solid, pour order 67): 2133.15,855.54 2133.15,574.84 2919.84,574.84 2925,580 2925,850 2560,850
SAB1_IN on Digital_signal "SAB1_IN_L04_P069" (solid, pour order 69): 2140,1090 2185,1090 2185,905 2535,905 2540,910 2540,1105 2475,1105 2470,1110 2470,1205 2215,1205 2140,1205
BUCK_OUT on Digital_signal "BUCK_OUT_L04_P070" (solid, pour order 70): 80,775 80,570 450.95,570 570,695 595,695 830,695 830,955 450,955 270,775
BUCK_OUT on Digital_signal "BUCK_OUT_L04_P076" (solid, pour order 76): 420,865 425,870 425,995 870,995 950,995 950,653.72 928.94,653.81 650,655 630,675 540,675
SAB2_IN on Digital_signal "SAB2_IN_L04_P077" (solid, pour order 77): 865,1180 800,1180 790,1190 790,1245 940,1245 935,1250 935,1610 610,1610 525,1525 525,1040 855,1040 865,1050
VCC_Boost on Digital_signal "VCC_BOOST_L04_P080" (solid, pour order 80): 80.69,1480 440,1480 490,1530 590,1630 975,1630 975,1935 575,1935 375,1735 80.69,1735
VCC_Source on Digital_signal "VCC_SOURCE_L04_P082" (solid, pour order 82): 1000,1585 1000,1235 1760,1235 1830,1305 1960,1305 2550,1305 2550,1400 2630,1480 2865,1480 2865,1670 2785,1750 2000,1750 1835,1585 1760,1585
VCC_Chassis on Digital_signal "VCC_CHASSIS_L04_P090" (solid, pour order 90): 1140,2764.7 1140,2775 1140,2875 1280,2875 1335,2930 1335,3060 1555,3060 1560,3065 1560,2870 1445,2870 1400,2825 1400,2764.7
VCC_Source on Digital_signal "VCC_SOURCE_L04_P102" (solid, pour order 102): 1895,1175 1900,1170 1930,1170 1935,1175 1935,1290 1950,1305 1950,1315 1880,1315 1880,1305 1895,1290
GND on Digital_signal "GND_L04_P106" (solid, pour order 106): 695,2710 700,2705 720,2705 725,2710 725,2900 720,2905 700,2905 695,2900
+3.0V on Digital_signal "+3.0V_L04_P108" (solid, pour order 108): 680,2810 655,2810 650,2805 650,2750 635,2735 635,2715 645,2705 680,2705 685,2710 685,2805
+3.3 on Digital_signal "+3.3_L04_P109" (solid, pour order 109): 735,2815 735,2715 745,2705 770,2705 775,2710 900,2710 918,2728 918,2799 892,2825 745,2825
VCC_Boost on Digital_signal "VCC_BOOST_L04_P110" (solid, pour order 110): 975,1935 975.09,1934.91 1209.91,1934.91 1225,1950 1225,2605 1215,2615 1140,2615 1140,2755 1400,2755 1400,2670 1485,2585 1485,1665 1450,1630 975,1630
VCC_Battery on Digital_signal "VCC_BATTERY_L04_P114" (solid, pour order 114): 2690,2350 2690,1995 2865,1995 2865,2350
GND on PGND "GND_L02_P125" (solid, pour order 125): 170,3130 0,2960 0,140 130,10 2770,10 2940,180 2940,2970 2780,3130
VCC_judge on PGND "VCC_JUDGE_L02_P124" (solid, pour order 124): 2630,2620 2550,2540 2550,2240 2510,2200 2510,700 2640,570 2910,570 2930,590 2930,740 2910,760 2730,760 2680,810 2680,2120 2800,2240 2800,2487.09 2842.98,2530.07 2842.98,2607.02 2830,2620
VCC_judge on PGND "VCC_JUDGE_L02_P123" (solid, pour order 123): 2842.98,2607.02 2830,2620 2730,2620 2715.03,2605.03 2715.03,2534.03 2729.07,2520 2832.91,2520 2842.98,2530.07
GND on A_signal "GND_L03_P116" (solid, pour order 116): 5,3120 2935,3120 2935,20 5,20

## Keep-outs
Keep-Out Layer:
  lines w10: -5,2930 -5,164.76 ccw(c161.32,164.76) 161.32,-1.56 ; -4.69,2923.99 cw(c206.32,2923.99) 206.32,3135 ; 166.32,0 2743.68,0 ; 201.32,3135 2778.68,3135 ; 2738.68,0 ccw(c2738.68,211.01) 2949.69,211.01 2949.69,2959.69 2949.69,2974.69 ; 2783.68,3136.56 cw(c2783.68,2970.24) 2950,2970.24

## Other copper
Power:
  pour cut-out: 955,2254 955,2186 1133,2186 1201,2254
  pour cut-out: 962.5,509.24 962.5,50 1937.5,50 1937.5,500 1926.72,510.78
  pour cut-out: 1215,530.52 1770.52,530.52 1775,535 1775,600 1215,600
  pour cut-out: 2895.35,2673.78 2895.35,635.35 2890,630 2895,625 2940,625 2940,2660.86 2927.93,2672.93
  pour cut-out: 820,3075 820,3125 2155,3125 2165,3115 2165,3075
  pour cut-out: 730.03,821 728.25,486.49 1228.25,486.49 1243.25,501.49 1216.34,528.4 1216.34,621.9 982.84,621.9 758.04,621.9 758.04,821
  pour cut-out: 1725,600 1725,545 1910,545 1915,550 1915,600
  pour cut-out: 920,390 940,370 940,176.22 993.78,176.22 990,180 990,420 930,420
  pour cut-out: 895,275 900,270 900,90 935,90 940,95 940,280
  pour cut-out: 625,820 625,555 925,255 940,255 940,420 670,690 670,815 665,820
  pour cut-out: 1335,1095 1335,970 1615,970 1615,1095
PGND:
  pour cut-out: 15,130 120,25 20,25 14.89,30.11
Digital_signal:
  pour cut-out: 71.31,2468.94 45,2442.63 45,2320 110,2255 183.16,2255 306.77,2378.61 185.37,2500 105,2500

## Text inside footprints (layer, text, board x,y; h text height)
Battery_In: Top Overlay "-" at 2857,1800 h30 r270; Bottom Overlay "-" at 2857,1780 h30 r270; Bottom Overlay "+" at 2670.76,2172.11 h30 r270
Boost_In: Top Overlay "-" at 257.01,1290 h30 r270; Bottom Overlay "+" at 70.78,1662.11 h30 r270; Bottom Overlay "-" at 257.01,1270 h30 r270
Cap: Top Overlay "-" at 103.01,950 h30 r90; Bottom Overlay "+" at 289.25,577.89 h30 r90; Bottom Overlay "-" at 103.01,970 h30 r90
Chassis: Top Overlay "-" at 1145,2888 h30 r180; Bottom Overlay "+" at 1517.11,3074.24 h30 r180; Bottom Overlay "-" at 1125,2888 h30 r180
Judge_In: Top Overlay "-" at 2703,950 h30 r90; Bottom Overlay "+" at 2889.24,577.89 h30 r90; Bottom Overlay "-" at 2703,970 h30 r90
L6: Mechanical 5 "C4.5 H3.2 W4.0 L4.5" at 1975.16,690.18 h30
LED2: Top Overlay "+" at 2526,2291 h30
LED3: Top Overlay "+" at 2181,2291 h30
To_Boost: Top Overlay "-" at 2857,1290 h30 r270; Bottom Overlay "+" at 2670.76,1662.11 h30 r270; Bottom Overlay "-" at 2857,1270 h30 r270